# Altium PCB WhiteRHINO_0v1.PcbDoc (part 8 of 10) (continued)
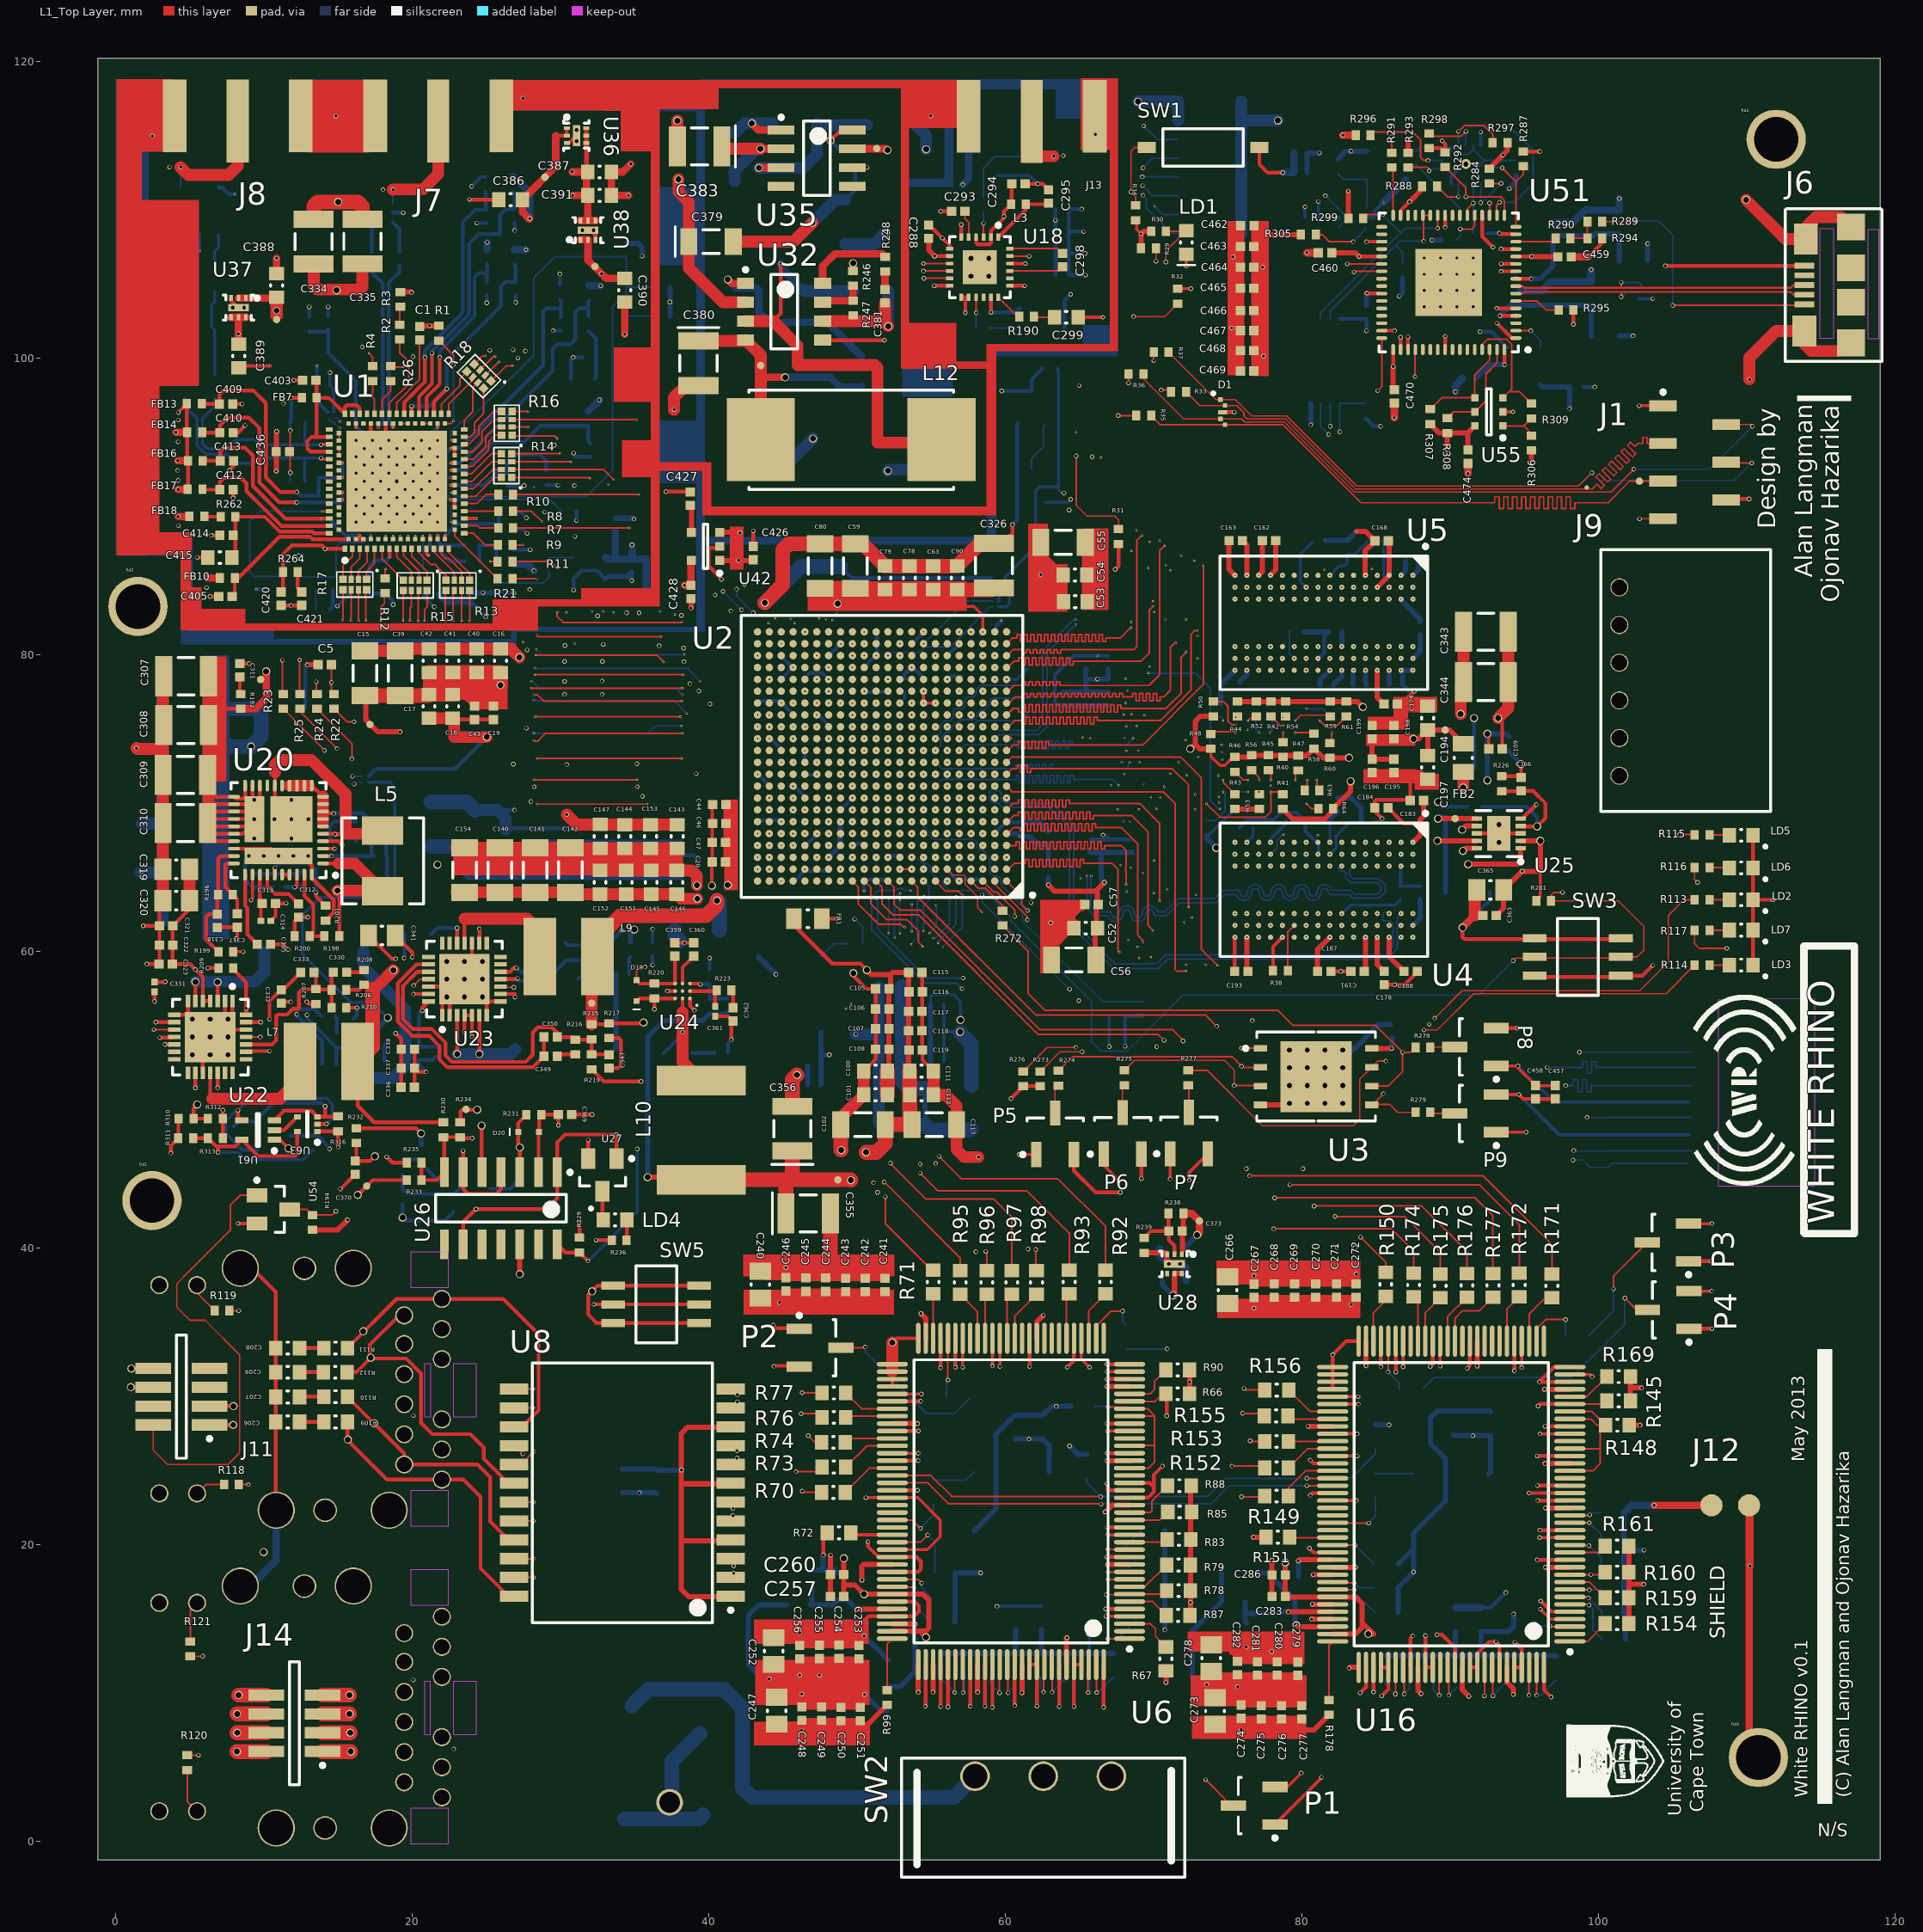
[diagram p0: L1_Top Layer view]
## Nets (pads, with @x,y where several pads share a name; then routed paths per layer and width w, separated by ;. In a path a pad name is that pad's centre, name@x,y a point inside that pad or via, vN(x,y) a via of type N, cw(c..) or ccw(c..) an arc to the next point about the centre after c; other vN are vias at no path point) (continued)
  L1_Top Layer w0.254: U20.36@11.25,65.15 U20.37@11.75,65.15
NetU50_3: U50.3 U51.2 | length 2.4
  L1_Top Layer w0.115: U51.2@94.45,101.825 v2(95.45,101.825)
  L12_Bottom Layer w0.115: v2(95.45,101.825) 96.1,101.175 U50.3@96.1,100.695
NetU61_2: U61.2 U63.4 | length 1.9
  L1_Top Layer w0.254: U61.2@10.725,47.925 11.375,47.925 U63.4@12.275,48.825
PA_EN: J10.3 U2.G17 | length 56.4
  L10_Critical w0.115: v5(47.304,69.514) 47.537,69.747 47.537,71.887 48.425,72.775 48.425,81.75 47.925,82.25 v5(47.925,82.375)
  L7_Non-Critical w0.1: v5(47.925,82.375) 48.075,82.525 48.507,82.525 48.882,82.15 50.312,82.15 50.929,82.767 50.929,85.73 68.175,102.976 68.175,102.982 68.8,103.607 68.8,108.559 69.6,109.359 69.6,111.275 v3(69.275,111.6)
  L12_Bottom Layer w0.115: v3(69.275,111.6) 69.955,110.92 J10.3@71.675,110.92
PB1: U2.D13
PB2: U2.C10
PGOOD_ALL: C370.2 D21.2 R232.1 U26.1 U26.9 U27.G U33.G | length 95.2
  L1_Top Layer w0.254: R232.1@16.25,47.05 16.25,45.925 C370.2@16.175,45.85 17.2,45.85 v4(17.5,46.15) ; U26.9@23.46,40.225 23.46,41.735 v2(24.325,42.6) 29.075,42.6 29.81,43.335 U26.1@29.81,45.075 29.81,47.11 30.327,47.627 33.798,47.627 v8(33.8,47.625) U27.G@33.8,46
  L10_Critical w0.115: v8(33.8,47.625) 34.185,47.625 48.342,61.783 48.342,63.493 49.275,64.425 49.275,82.975 49.5,83.2 60.525,83.2 61.3,83.975 61.3,89.1 62.65,90.45 v2(64.425,90.45)
  L10_Critical w0.254: v4(17.5,46.15) 18.425,45.225 21.925,45.225 24.325,42.825 v2(24.325,42.6)
  L12_Bottom Layer w0.2: U33.G@62.725,90.25 64.225,90.25 v2(64.425,90.45)
  L12_Bottom Layer w0.254: v2(24.325,42.6) 25.25,42.6 D21.2@25.275,42.575
PGOOD_DDR: R230.2 R233.2 R234.2 R235.2 U25.5 U26.7 | length 108.2
  L1_Top Layer w0.254: R235.2@20.65,45.725 R233.2@20.65,44.55 21.665,44.55 U26.7@22.19,45.075 22.19,47.385 R230.2@22.125,47.45 R234.2@23.25,47.45 23.325,47.375 v8(24.075,47.375) ; U25.5@94.775,68.925 94.875,68.925 v2(95.825,69.875)
  L10_Critical w0.5: v8(24.075,47.375) 24.075,44.9 26.15,42.825 76.2,42.825 77.325,43.95 78.55,43.95 78.875,43.625 89.825,43.625 97.1,50.9 97.1,68.6 v2(95.825,69.875)
PGOOD_VCC1V0: C369.2 D20.2 R231.1 U24.B3 U26.2 | length 18.5
  L1_Top Layer w0.254: U26.2@28.54,45.075 28.54,47.765 D20.2@28.575,47.8 28.575,48.8 R231.1@28.725,48.95 28.75,48.975 C369.2@29.875,48.975 v8(29.875,48.25) ; v2(37.225,57.3) U24.B3@37.75,57.3
  L9_Critical w0.163: v8(29.875,48.25) 29.875,50.071 37.104,57.3 v2(37.225,57.3)
PGOOD_VCC1V8: C359.2 D19.2 R220.1 U22.10 U22.25 U23.10 U24.C3 | length 49
  L1_Top Layer w0.1: U22.25@8.825,54.2 v2(9.775,54.2) ; U23.10@25.975,57.6 26.025,57.55 v8(26.875,57.55)
  L1_Top Layer w0.115: v3(2.6,54.7) U22.10@3.975,54.7 ; D19.2@35.15,58.025 35.15,58.675 35.4,58.925 v2(35.725,58.925)
  L1_Top Layer w0.254: D19.2@35.15,58.025 35.375,57.8 R220.1@36.35,57.8 U24.C3@37.75,57.8 37.75,59.625 C359.2@37.725,59.65
  L3_Critical w0.1: v2(9.775,54.2) 13.901,54.2 16.176,56.475 22.096,56.475 22.151,56.42 25.745,56.42 v8(26.875,57.55) 34.35,57.55 v2(35.725,58.925)
  L3_Critical w0.115: v3(2.6,54.7) 2.6,52.325 3.35,51.575 8.825,51.575 9.775,52.525 v2(9.775,54.2)
PGOOD_VCC5V0: R199.1 U20.32 U23.25 | length 19.8
  L1_Top Layer w0.1: v8(20.125,57.675) 20.55,58.1 U23.25@21.125,58.1
  L1_Top Layer w0.2: R199.1@7.95,59.95 v2(8.625,59.95) ; v2(9.15,63.425) 9.25,63.525 U20.32@9.25,65.15
  L3_Critical w0.1: v2(8.625,59.95) 10.7,57.875 19.925,57.875 v8(20.125,57.675)
  L7_Non-Critical w0.163: v2(8.625,59.95) 9.2,60.525 9.2,63.375 v2(9.15,63.425)
PLL_CLK: R266.1 U1.71 | length 2.5
  L1_Top Layer w0.115: U1.71@20.731,87.762 v1(20.731,87.994)
  L12_Bottom Layer w0.115: v1(20.731,87.994) 20.731,85.769 R266.1@20.75,85.75
PLL_CLK_OUT: R4.1 U2.C17 | length 58
  L1_Top Layer w0.115: v1(17.1,100.3) 17.35,100.05 R4.1@17.35,99.425
  L4_Critical w0.115: v1(17.1,100.3) 22.406,94.995 22.406,93.473 25.625,90.254 25.625,83.925 27.5,82.05 v1(27.5,80.824)
  L10_Critical w0.115: v1(27.5,80.824) 27.526,80.85 28.575,80.85 29.175,80.25 29.175,68.075 31.3,65.95 46.94,65.95 v1(47.304,66.314)
PROG: R34.1 SW1.1 U2.T11 | length 50.3
  L1_Top Layer w0.1: R34.1@68.8,110.275 68.8,110.875 v3(68.5,111.175) 68.5,113.925 68.75,114.175 SW1.1@69.55,114.175
  L3_Critical w0.1: v1(52.104,76.714) 52.5,77.11 52.475,77.135 52.475,79.225 52.75,79.5 53.125,79.5 53.45,79.825 53.45,83.8 62.7,93.05 65.6,93.05 v2(65.875,93.325)
  L9_Critical w0.1: v2(65.875,93.325) 65.875,97.775 71.15,103.05 71.15,108.525 v3(68.5,111.175)
PS_CLK: R280.2 U2.F7 | length 13.5
  L10_Critical w0.115: v2(49.85,62.15) 49.85,62.789 50.1,63.039 50.1,68.175 50.275,68.35 55,68.35 55.304,68.654 v1(55.304,68.714)
  L12_Bottom Layer w0.115: v2(49.85,62.15) 50.4,61.6 R280.2@50.4,60.5
PS_MODE0/SPI_DQ0: R279.1 U2.A2 U3.5 | length 38.7
  L1_Top Layer w0.1: 85.95,49.65 86.475,49.125 R279.1@87.675,49.125
  L1_Top Layer w0.115: U2.A2@59.304,64.714 59.304,64.506 61.5,62.31 v2(61.5,62.1) ; U3.5@84.755,49.65 U3.5@84.775,49.65 ; v8(85.5,50.375) U3.5@84.775,49.65 ; 85.95,49.65 U3.5@84.775,49.65
  L4_Critical w0.115: v2(61.5,62.1) 61.5,59.386 64.911,55.975 78.425,55.975 80.3,54.1 82.775,54.1 84.75,52.125 84.75,51.125 v8(85.5,50.375)
PS_MODE1/SPI_DQ1: R274.1 U2.F6 U3.2 | length 47.3
  L1_Top Layer w0.1: R274.1@63.6,51.925 64.55,52.875 75.3,52.875 v8(75.95,52.225)
  L1_Top Layer w0.115: v8(75.95,52.225) 76.015,52.16 U3.2@77.225,52.16
  L3_Critical w0.115: v1(56.104,68.714) 56.468,68.35 58,68.35 58.1,68.25 58.1,66.248 58.398,65.95 58.575,65.95 58.9,65.625 58.9,61.25 60.525,59.625 60.525,57.4 62.2,55.725 74.65,55.725 75.45,54.925 75.45,52.725 v8(75.95,52.225)
PS_MODE2/SPI_DQ2: R275.1 U2.E4 U3.3 | length 43
  L1_Top Layer w0.1: R275.1@68.05,51.95 68.725,52.625 74.8,52.625 75.45,51.975 v8(75.45,50.925)
  L1_Top Layer w0.115: v8(75.45,50.925) 77.19,50.925 U3.3@77.225,50.89
  L4_Critical w0.1: 57.498,66.85 57.975,66.85 58.125,66.7 58.125,66.223 58.136,66.211
  L4_Critical w0.115: 57.498,66.85 57.35,66.998 57.35,67.56 v1(57.704,67.914) ; 58.136,66.211 58.9,65.448 58.9,61.175 60.525,59.55 60.525,57.375 62.2,55.7 74.675,55.7 75.45,54.925 v8(75.45,50.925)
PS_MODE3/SPI_DQ3: R277.1 U2.A3 U3.7 | length 52.8
  L1_Top Layer w0.1: R277.1@72.35,51.95 73.625,51.95 77.35,48.225 83.5,48.225 83.925,48.65 83.925,51.36 U3.7@84.725,52.16
  L1_Top Layer w0.115: U2.A3@58.504,64.714 59.233,63.985 59.44,63.985 60.65,62.775 v2(60.65,62.325) ; U3.7@84.725,52.16 85.14,52.575 v8(85.675,52.575)
  L4_Critical w0.115: v2(60.65,62.325) 60.733,62.408 61.793,62.408 61.95,62.25 61.95,59.24 64.99,56.2 78.8,56.2 79.86,55.14 83.585,55.14 84.913,53.813 84.913,53.337 v8(85.675,52.575)
PS_MODE4/SPI_SCLK: R272.2 R278.1 U3.6 | length 37
  L1_Top Layer w0.115: R272.2@59.825,61.725 61.55,60 61.55,57.15 62.71,55.99 78.41,55.99 79.425,54.975 84.995,54.975 v8(86.808,53.163) ; U3.6@84.725,50.89 85.825,50.89 86.808,51.873 v8(86.808,53.163) ; R278.1@87.675,53.5 87.338,53.163 v8(86.808,53.163)
PS_POR_B: R66.2 R145.2 R229.1 U2.B5 U6.33 U16.33 U26.14 | length 123.1
  L1_Top Layer w0.115: U6.33@68.398,29.637 70.112,29.637 70.625,30.15 R66.2@70.85,30.15 ; U16.33@98.093,29.449 100.349,29.449 R145.2@100.575,29.675
  L1_Top Layer w0.254: U26.14@29.81,40.225 30.36,39.675 R229.1@31.3,39.675 v2(31.875,39.1) ; R66.2@70.85,30.15 70.9,30.1 v2(70.9,28.65) ; v2(95.95,29.325) 96.1,29.475 98.067,29.475 U16.33@98.093,29.449
  L10_Critical w0.115: v2(31.875,39.1) 36.525,34.45 70.825,34.45 71.6,33.675 71.6,29.7 70.9,29 v2(70.9,28.65) 71.132,28.418 95.043,28.418 v2(95.95,29.325) ; v2(35.2,46.65) 35.2,47.24 49.085,61.125 50.025,61.125 51.725,62.825 52.905,62.825 54.112,64.033 54.408,64.033 55.889,65.514 v1(56.904,65.514)
  L12_Bottom Layer w0.2: v2(31.875,39.1) 35.2,42.425 v2(35.2,46.65)
PS_SRST_B: R281.1 SW3.3 U2.C9 U53.4 U53.6 | length 141.9
  L1_Top Layer w0.1: v2@94.175,59.45 v2(94.275,59.35) 94.45,59.525 SW3.3@101.525,59.525 ; v2(97.602,63.948) 97.023,63.948 96.825,63.75 R281.1@96.825,63.375 101.35,63.375 103.075,61.65 103.075,60.05 102.625,59.6 SW3.3@101.525,59.6
  L9_Critical w0.1: v2(81.6,110.925) 89.201,110.925 92.376,107.75 101.975,107.75 104.65,105.075 104.65,71.125 97.525,64 97.577,63.948 v2(97.602,63.948)
  L12_Bottom Layer w0.1: v1(53.704,66.314) 54.022,66.314 54.45,65.886 54.764,65.886 54.925,65.725 54.925,65.411 56.261,64.075 58.301,64.075 58.326,64.1 58.574,64.1 60.35,62.324 60.35,62.075 65.85,56.575 65.85,53.842 65.967,53.725 66,53.725 66.475,53.25 68.225,53.25 72,57.025 91.95,57.025 v2(94.275,59.35) ; v2(81.6,110.925) U53.6@82.45,110.075 82.462,110.075 82.85,109.687 82.85,109.163 82.462,108.775 U53.4@82.45,108.775
RESET: R21.2 U1.75 | length 4.5
  L1_Top Layer w0.115: U1.75@22.881,88.412 22.881,87.994 R21.2@25.775,85.1
RGMII_SEL0: R84.1 U6.40 | length 4.1
  L1_Top Layer w0.115: U6.40@66.148,33.887 66.148,34.722 67.151,35.725 v2(67.925,35.725)
  L12_Bottom Layer w0.115: v2(67.925,35.725) 67.925,35.025 R84.1@68.175,34.775
RGMII_SEL1: R86.1 U6.60 | length 4.1
  L1_Top Layer w0.115: v2(56.148,31.073) U6.60@56.148,33.887
  L12_Bottom Layer w0.115: R86.1@56.05,29.875 56.05,30.975 v2(56.148,31.073)
RX_CLK: R7.1 U2.N19 | length 39
  L1_Top Layer w0.115: R7.1@26.825,88.525 v1(34.675,88.525)
  L3_Critical w0.115: v1(34.675,88.525) 35.175,88.525 37.325,86.375 37.325,80.203 37.033,80.203 37.033,79.888 37.617,79.888 37.617,79.573 37.325,79.573 37.325,79.258 37.617,79.258 37.617,78.943 37.033,78.943 37.033,78.628 37.617,78.628 37.617,78.313 37.033,78.313 37.033,77.998 37.617,77.998 37.617,77.683 37.033,77.683 37.033,77.368 37.617,77.368 37.617,77.053 37.033,77.053 37.033,76.738 37.617,76.738 37.617,76.423 37.033,76.423 37.033,76.108 37.325,76.108 37.325,74.65 38.1,73.875 45.265,73.875 v1(45.704,74.314)
RX_CLKOUT: R26.1 U2.L19 | length 50.1
  L1_Top Layer w0.115: R26.1@18.575,99.425 18.625,99.375 v1(19.425,99.375) ; U2.L19@45.704,72.714 v1(45.739,72.714)
  L3_Critical w0.115: v1(19.425,99.375) 21.575,99.375 22.35,98.6 30.304,98.6 34.2,94.704 34.2,87.1 35.8,85.5 35.8,73.35 36.8,72.35 45.375,72.35 v1(45.739,72.714)
RX_EN: R11.1 U2.T19 | length 39
  L1_Top Layer w0.115: R11.1@26.775,86.25 29.375,86.25 v1(29.8,85.825) ; v1(29.8,82.825) 29.8,82.55 30.2,82.15 v1(38.2,82.15) ; U2.T19@45.704,76.714 v1(45.714,76.714)
  L3_Critical w0.115: v1(29.8,82.825) 29.8,83.183 29.502,83.183 29.502,83.498 29.8,83.498 v1(29.8,85.825) ; v1(38.2,82.15) 38.418,82.15 38.418,81.85 38.733,81.85 38.733,82.45 39.048,82.45 39.048,81.85 39.363,81.85 39.363,82.45 39.678,82.45 39.678,82.15 40.15,82.15 40.725,81.575 40.725,81.234 41.025,81.234 41.025,80.919 40.425,80.919 40.425,80.604 41.025,80.604 41.025,80.289 40.425,80.289 40.425,79.974 41.025,79.974 41.025,79.659 40.425,79.659 40.425,79.344 41.025,79.344 41.025,79.029 40.425,79.029 40.425,78.714 41.025,78.714 41.025,78.399 40.425,78.399 40.425,78.084 41.025,78.084 41.025,77.769 40.725,77.769 40.725,77.296 41.089,76.932 40.877,76.72 41.1,76.497 41.312,76.709 41.646,76.375 42.137,76.375 42.137,76.675 42.452,76.675 42.452,76.075 42.767,76.075 42.767,76.375 45.375,76.375 v1(45.714,76.714)
RX_IQ_SEL: R9.1 U2.T16 | length 39
  L1_Top Layer w0.115: R9.1@26.8,87.375 v1(27.475,87.375)
  L3_Critical w0.115: v1(27.475,87.375) 27.475,83.115 27.205,83.115 27.205,82.8 27.745,82.8 27.745,82.485 27.475,82.485 27.475,82.013 27.745,82.013 27.745,81.698 27.475,81.698 27.475,81.225 v1(28.375,80.325)
  L9_Critical w0.115: v1(38.375,79.975) 38.925,79.975 39.27,79.63 39.482,79.842 39.705,79.619 39.493,79.407 39.281,79.195 39.504,78.972 39.928,79.396 40.151,79.174 39.939,78.962 39.726,78.749 39.949,78.527 40.161,78.739 40.373,78.951 40.596,78.728 40.384,78.516 40.172,78.304 40.395,78.081 40.607,78.293 40.819,78.505 41.042,78.283 40.829,78.071 40.617,77.858 40.84,77.636 41.052,77.848 41.264,78.06 41.487,77.837 41.063,77.413 41.286,77.19 41.498,77.402 41.71,77.614 41.933,77.392 41.508,76.967 41.731,76.745 41.943,76.957 42.155,77.169 42.378,76.946 42.166,76.734 42.5,76.4 47.79,76.4 v1(48.104,76.714)
  L12_Bottom Layer w0.115: v1(28.375,80.325) 28.725,79.975 v1(38.375,79.975)
RXD00: R13.8 U2.P22 | length 38.8
  L1_Top Layer w0.115: v1(23.9,82.25) R13.8@23.9,84.3 ; U2.P22@43.304,75.114 v1(43.304,75.121)
  L9_Critical w0.115: v1(23.9,82.25) 23.4,81.75 20.7,81.75 19.75,80.8 19.75,76.675 20.325,76.1 23.867,76.1 23.867,75.9 24.182,75.9 24.182,76.3 24.497,76.3 24.497,75.9 24.812,75.9 24.812,76.3 25.127,76.3 25.127,75.9 25.442,75.9 25.442,76.1 25.75,76.1 27.8,78.15 v1(28.05,78.15) ; v1(38.25,77.275) 40,75.525 42.9,75.525 v1(43.304,75.121)
  L12_Bottom Layer w0.115: v1(28.05,78.15) 28.15,78.15 28.575,77.725 37.8,77.725 v1(38.25,77.275)
RXD01: R13.7 U2.N22 | length 39
  L1_Top Layer w0.115: R13.7@23.35,84.3 23.35,82.275 v1(23.375,82.25) ; v1(28.35,79.95) 36.525,79.95 v1(36.975,79.5) ; U2.N22@43.304,74.314 v1(43.304,74.321)
  L10_Critical w0.115: v1(23.375,82.25) 23.375,81.1 22.325,80.05 21.075,80.05 20.65,79.625 20.65,77.875 21.275,77.25 24.847,77.25 24.847,77.05 25.162,77.05 25.162,77.45 25.477,77.45 25.477,77.05 25.792,77.05 25.792,77.25 26.2,77.25 27.7,78.75 27.7,79.3 v1(28.35,79.95) ; v1(36.975,79.5) 37.3,79.175 37.3,74.95 38.375,73.875 42.858,73.875 v1(43.304,74.321)
RXD02: R13.6 U2.R21 | length 38.8
  L1_Top Layer w0.115: v1(22.775,82.274) 22.775,84.225 R13.6@22.8,84.25
  L3_Critical w0.115: v1(22.775,82.274) 22.8,82.274 22.8,81.4 21.85,80.45 21.85,75.45 22.2,75.1 26.9,75.1 27.4,75.6 27.4,76.492 27.6,76.492 27.6,76.807 27.2,76.807 27.2,77.122 27.6,77.122 27.6,77.437 27.2,77.437 27.2,77.752 27.6,77.752 27.6,78.067 27.4,78.067 27.4,78.675 27.775,79.05 v1(28.3,79.05)
  L10_Critical w0.115: v1(39.425,78.2) 42.575,78.2 43.333,77.442 43.333,76.675 v1(44.104,75.904)
  L12_Bottom Layer w0.115: v1(28.3,79.05) 38.575,79.05 v1(39.425,78.2)
RXD03: R13.5 U2.R20 | length 39
  L1_Top Layer w0.115: v1(22.25,82.25) 22.25,84.25 R13.5@22.3,84.3 ; v1(28.024,77.725) v1(38.25,77.725) ; v1(44.904,75.904) U2.R20@44.904,75.914
  L4_Critical w0.115: v1(38.25,77.725) 38.275,77.725 40.475,75.525 44.525,75.525 v1(44.904,75.904)
  L10_Critical w0.115: v1(22.25,82.25) 22.25,81.475 21.6,80.825 20.05,80.825 19.725,80.5 19.725,78.3 21.801,76.224 25.372,76.224 25.372,75.943 25.687,75.943 25.687,76.505 26.002,76.505 26.002,76.224 26.475,76.224 26.648,76.397 26.449,76.596 26.672,76.819 27.07,76.421 27.292,76.644 27.094,76.843 26.895,77.041 27.118,77.264 27.316,77.065 27.515,76.867 27.738,77.09 27.539,77.288 27.95,77.699
RXD04: R15.8 U2.P21 | length 39.1
  L1_Top Layer w0.115: v1(20.85,82.274) 20.85,82.775 ; 20.85,82.775 20.85,83 21.025,83.175 R15.8@21.025,84.3 ; v1(28.225,74.15) 28.5,74.15 29.025,74.675 v1(38.25,74.675) ; v1(44.104,75.104) U2.P21@44.104,75.114
  L3_Critical w0.115: v1(20.85,82.274) 20.85,75.8 22.75,73.9 23.315,73.9 23.315,74.1 23.63,74.1 23.63,73.9 24.102,73.9 24.102,73.617 24.417,73.617 24.417,74.13 24.732,74.13 24.732,73.617 25.047,73.617 25.047,73.9 25.362,73.9 25.362,73.617 25.677,73.617 25.677,74.183 25.992,74.183 25.992,73.617 26.307,73.617 26.307,74.183 26.622,74.183 26.622,73.617 26.937,73.617 26.937,74.183 27.252,74.183 27.252,73.617 27.567,73.617 27.567,73.9 27.975,73.9 v1(28.225,74.15) ; v1(38.25,74.675) 43.675,74.675 v1(44.104,75.104)
RXD05: R15.7 U2.P20 | length 39.2
  L1_Top Layer w0.115: v1(20.425,82.25) 20.425,84.25 R15.7@20.475,84.3 ; v1(28.225,77.275) 28.475,77.275 28.9,76.85 v1(38.2,76.85) ; v1(44.904,75.096) U2.P20@44.904,75.114
  L4_Critical w0.115: v1(38.2,76.85) 40.375,74.675 44.483,74.675 v1(44.904,75.096)
  L9_Critical w0.115: v1(20.425,82.25) 19.225,81.05 19.225,76.725 20.55,75.4 23.027,75.4 23.027,75.2 23.342,75.2 23.342,75.4 26.1,75.4 26.327,75.627 26.186,75.769 26.408,75.991 26.691,75.709 26.914,75.931 26.773,76.073 26.631,76.214 26.854,76.437 27.137,76.154 27.36,76.377 27.218,76.518 27.077,76.66 27.299,76.882 27.441,76.741 27.582,76.599 27.805,76.822 27.664,76.964 27.975,77.275 v1(28.225,77.275)
RXD06: R15.6 U2.N15 | length 38.9
  L1_Top Layer w0.115: v1(19.875,82.274) 19.875,82.662 ; 19.875,82.663 19.875,83.107 19.975,83.207 R15.6@19.975,84.3 ; v1(28.325,75.8) v1(38.125,75.8)
  L4_Critical w0.115: v1(19.875,82.274) 19.875,81.625 22.133,79.367 26.147,79.367 26.147,79.167 26.462,79.167 26.462,79.567 26.777,79.567 26.777,79.167 27.092,79.167 27.092,79.367 28.557,79.367 28.75,79.175 28.75,76.225 v1(28.325,75.8) ; v1(38.125,75.8) 40.025,73.9 48.351,73.9 48.772,74.321 v1(48.904,74.321)
RXD07: R15.5 U2.K15 | length 39.3
  L1_Top Layer w0.115: v1(19.399,82.274) 19.399,82.375 19.425,82.4 R15.5@19.425,84.3 ; v1@28.463,72.988 v1(38.213,72.988)
  L3_Critical w0.115: v1(19.399,82.274) 19.399,76.351 22.775,72.975 v1(28.45,72.975)
  L4_Critical w0.115: v1(38.213,72.988) 38.85,72.35 48.475,72.35 v1(48.911,71.914)
RXD08: R17.8 U2.J15 | length 39.1
  L1_Top Layer w0.115: v1(16.9,82.275) 16.9,84.3 R17.8@16.95,84.35 ; v1(28.2,71.55) v1(35.2,71.55)
  L3_Critical w0.115: v1(35.2,71.55) 48.625,71.55 48.9,71.275 v1(48.9,71.1)
  L4_Critical w0.115: v1(16.9,82.275) 16.9,81.725 27.075,71.55 v1(28.2,71.55)
RXD09: R17.7 U2.P18 | length 38.9
  L1_Top Layer w0.115: v1(16.4,82.275) 16.4,83.2 R17.7@16.4,84.35 ; U2.P18@46.504,75.114 v1(46.539,75.114)
  L9_Critical w0.115: v1(16.4,82.275) 16.4,79.025 21.433,73.992 26.627,73.992 26.627,73.792 26.942,73.792 26.942,73.992 27.542,73.992 v1(28.225,74.675) ; v1(38.175,75.175) 38.675,74.675 46.1,74.675 v1(46.539,75.114)
  L12_Bottom Layer w0.115: v1(28.225,74.675) 35.9,74.675 36.4,75.175 v1(38.175,75.175)
RXD10: R17.6 U2.P17 | length 39.2
  L1_Top Layer w0.115: v1(15.9,82.275) R17.6@15.9,84.35
  L10_Critical w0.115: v1(15.9,82.275) 15.9,81.625 22.375,75.15 24.502,75.15 24.502,74.95 24.817,74.95 24.817,75.15 26.5,75.15 v1(28.225,76.875) ; v1(38.525,76.025) 38.525,75.725 39.575,74.675 46.875,74.675 v1(47.314,75.114)
  L12_Bottom Layer w0.115: v1(28.225,76.875) 37.675,76.875 v1(38.525,76.025)
RXD11: R17.5 U2.T17 | length 38.9
  L1_Top Layer w0.115: v1(15.35,82.3) R17.5@15.35,84.35 ; v1(28.299,78.625) v1(38.3,78.625)
  L4_Critical w0.115: v1(15.35,82.3) 15.35,82.55 15.575,82.775 17.25,82.775 17.668,82.357 17.668,82.057 22.375,77.35 25.197,77.35 25.197,77.55 25.512,77.55 25.512,77.15 25.827,77.15 25.827,77.35 26.3,77.35 27.575,78.625 v1(28.299,78.625) ; v1(38.3,78.625) 42.575,78.625 43.95,77.25 46.775,77.25 v1(47.304,76.721)
RXIN1_N: C397.1 U1.98 | length 11.6
  L1_Top Layer w0.253: v1(17.731,95.306) U1.98@17.731,95.562
  L12_Bottom Layer w0.253: C397.1@17.275,106.225 17.275,105.788 18.029,105.034 18.029,95.605 v1(17.731,95.306)
RXIN1_P: C399.1 U1.96 | length 11.6
  L1_Top Layer w0.253: v1(18.731,95.319) U1.96@18.731,95.562
  L12_Bottom Layer w0.253: v1(18.731,95.319) 18.432,95.618 18.432,105.046 19.175,105.788 C399.1@19.175,106.225
RXIN2_N: U1.102
RXIN2_P: U1.100
RXIN3_N: U1.110
RXIN3_P: U1.108
RXOUT_I_N: U1.115
RXOUT_I_P: U1.116
RXOUT_Q_N: U1.114
RXOUT_Q_P: U1.113
SCLK: R22.1 U2.C5 | length 54.3
  L1_Top Layer w0.115: R22.1@14.75,76.325 15.625,75.45 v3(16.1,75.45)
  L7_Non-Critical w0.1: v3(16.1,75.45) 17.55,74 25.95,74 26.375,74.425 30.05,74.425 30.425,74.05 31.075,74.05 31.075,74.25 31.375,74.25 31.375,74.05 31.675,74.05 31.675,74.25 31.975,74.25 31.975,74.05 32.275,74.05 32.275,74.25 32.575,74.25 32.575,74.05 32.875,74.05 32.875,74.25 33.175,74.25 33.175,74.05 33.475,74.05 33.475,74.25 33.775,74.25 33.775,74.05 34.075,74.05 34.075,74.25 34.375,74.25 34.375,74.05 34.675,74.05 34.675,74.25 34.975,74.25 34.975,74.05 35.275,74.05 35.275,74.25 35.575,74.25 35.575,74.05 35.875,74.05 35.875,74.25 36.175,74.25 36.175,74.05 56.028,74.05 56.579,73.499 56.579,66.639 v5(56.904,66.314)
SD_CD: J5.2 U2.B9 U2.B10 | length 71.6
  L1_Top Layer w0.1: v1(52.904,65.514) v1(53.704,65.514)
  L9_Critical w0.1: 92.275,56.234 93.35,56.234
  L9_Critical w0.115: v1(53.704,65.514) 53.704,64.996 55.285,63.415 55.485,63.415 55.875,63.025 56.604,63.025 58.795,60.834 62.349,60.834 66.949,56.234 92.275,56.234 ; 93.35,56.234 94.009,55.575 94.283,55.575 94.283,55.975 94.598,55.975 94.598,55.175 94.913,55.175 94.913,55.975 95.228,55.975 95.228,55.575 95.525,55.575 95.85,55.25 95.85,54.768 96.25,54.768 96.25,54.452 95.45,54.452 95.45,54.137 96.25,54.137 96.25,53.822 95.45,53.822 95.45,53.507 96.25,53.507 96.25,53.192 95.45,53.192 95.45,52.877 96.25,52.877 96.25,52.562 95.85,52.562 95.85,52.275 95.975,52.15 v2(96.55,52.15)
  L12_Bottom Layer w0.1: v2(96.55,52.15) 98.95,52.15 98.95,52.543 99.25,52.543 99.25,51.757 99.55,51.757 99.55,52.543 99.85,52.543 99.85,52.15 100.725,52.15
  L12_Bottom Layer w0.115: 100.725,52.15 J5.2@106.565,52.15
SD_CLK: J5.5 U2.E14 | length 72.1
  L9_Critical w0.1: 92.375,57.15 96.4,57.15 99.25,54.3 v2(99.25,48.775)
  L9_Critical w0.115: v1(49.704,67.914) 49.372,68.247 49.372,69.697 49.55,69.875 49.85,69.875 50.118,70.143 50.118,70.443 50.325,70.65 52.35,70.65 52.525,70.475 52.525,70.075 52.712,69.888 53,69.888 55.637,67.252 55.637,67.11 60.2,62.547 60.2,62.34 60.79,61.75 62.729,61.75 67.329,57.15 92.375,57.15
  L12_Bottom Layer w0.1: v2(99.25,48.775) 100.615,48.775
  L12_Bottom Layer w0.115: 100.615,48.775 J5.5@106.24,48.775
SD_CMD: J5.3 U2.C8 | length 71.4
  L9_Critical w0.1: 92.375,56.449 95.401,56.449 97.225,54.625 97.225,54.175 96.825,54.175 96.825,53.875 97.625,53.875 97.625,53.575 96.825,53.575 96.825,53.275 97.625,53.275 97.625,52.975 96.825,52.975 96.825,52.675 97.625,52.675 97.625,52.375 96.85,52.375 96.85,52.075 97.625,52.075 97.625,51.775 96.825,51.775 96.825,51.475 97.225,51.475 97.225,51.15 97.45,50.925 v2(97.8,50.925)
  L9_Critical w0.115: v1(54.504,66.314) 54.972,65.847 54.972,64.949 55.133,64.788 55.133,64.297 56.19,63.24 56.693,63.24 58.884,61.049 62.439,61.049 67.039,56.449 92.375,56.449
  L12_Bottom Layer w0.1: v2(97.8,50.925) 98.325,50.925 98.325,51.325 98.625,51.325 98.625,50.525 98.925,50.525 98.925,51.325 99.225,51.325 99.225,50.525 99.525,50.525 99.525,50.925 100.665,50.925
  L12_Bottom Layer w0.115: 100.665,50.925 J5.3@106.29,50.925
SD_D0: J5.7 U2.D8 | length 71.6
  L9_Critical w0.1: 92.3,56.664 95.504,56.664 98.35,53.817 98.35,50.55 98.732,50.55 98.732,50.25 97.968,50.25 97.968,49.95 98.732,49.95 98.732,49.65 97.968,49.65 97.968,49.35 98.732,49.35 98.732,49.05 97.968,49.05 97.968,48.75 98.732,48.75 98.732,48.45 97.968,48.45 97.968,48.15 98.35,48.15 v2(98.35,46.55)
  L9_Critical w0.115: v1(54.504,67.114) 54.504,66.644 55.301,65.847 55.442,65.847 57.211,64.078 57.263,64.078 57.475,63.865 57.475,62.762 58.974,61.264 62.528,61.264 67.128,56.664 92.3,56.664
  L12_Bottom Layer w0.1: v2(98.35,46.55) 98.385,46.515 100.675,46.515
  L12_Bottom Layer w0.115: 100.675,46.515 J5.7@106.3,46.515
SD_D1: J5.8 U2.B11 | length 71.4
  L9_Critical w0.1: 93.296,55.804 93.85,55.25 93.85,54.575 94.24,54.575 94.24,54.275 93.46,54.275 93.46,53.975 94.24,53.975 94.24,53.675 93.46,53.675 93.46,53.375 94.24,53.375 94.24,53.075 93.46,53.075 93.46,52.775 94.24,52.775 94.24,52.475 93.85,52.475 93.85,51.875 97.025,48.7 97.025,47.175 v2(98.3,45.9)
  L9_Critical w0.115: v1(52.104,65.514) 52.104,65.185 52.808,64.482 ; 52.809,64.482 53.268,64.023 53.268,63.112 53.855,62.525 56.496,62.525 58.617,60.404 62.171,60.404 66.771,55.804 93.296,55.804
  L12_Bottom Layer w0.1: v2(98.3,45.9) 98.95,45.9 99.435,45.415 100.675,45.415
  L12_Bottom Layer w0.115: 100.675,45.415 100.935,45.675 J5.8@106.04,45.675
SD_D2: J5.1 U2.E13 | length 71.5
  L9_Critical w0.1: 92.375,56.885 95.615,56.885 95.956,56.544 96.217,56.805 96.429,56.593 96.168,56.332 96.38,56.12 96.642,56.381 96.854,56.169 96.592,55.908 96.805,55.695 97.066,55.957 97.278,55.745 97.017,55.483 97.229,55.271 97.49,55.532 97.702,55.32 97.441,55.059 97.653,54.847 97.914,55.108 98.127,54.896 97.865,54.635 98.077,54.423 98.339,54.684 98.551,54.472 98.29,54.21 98.725,53.775 v2(98.725,53.175)
  L9_Critical w0.115: v1(50.504,67.914) 50.172,68.247 50.172,69.652 50.366,69.847 52.228,69.847 52.475,69.6 52.475,69.225 52.678,69.022 53.078,69.022 53.372,68.728 53.372,67.776 53.65,67.498 54.698,67.498 54.897,67.299 54.897,67.05 55.3,66.647 55.442,66.647 57.75,64.338 57.75,62.8 59.065,61.485 62.619,61.485 67.219,56.885 92.375,56.885
  L12_Bottom Layer w0.1: v2(98.725,53.175) J5.1@106.24,53.175
SD_WP: U2.D12
  other v1: 51.304,67.114
SDIO: R24.1 U2.G7 | length 54.2
  L1_Top Layer w0.115: R24.1@13.6,76.325 15.95,73.975 v3(15.95,72.95)
  L7_Non-Critical w0.1: v3(15.95,72.95) 16.575,72.95 16.575,73.15 16.875,73.15 16.875,72.75 17.175,72.75 17.175,73.15 17.475,73.15 17.475,72.75 17.775,72.75 17.775,73.15 18.075,73.15 18.075,72.75 18.375,72.75 18.375,73.15 18.675,73.15 18.675,72.75 18.975,72.75 18.975,73.15 19.275,73.15 19.275,72.75 19.575,72.75 19.575,73.15 19.875,73.15 19.875,72.75 20.175,72.75 20.175,73.15 20.475,73.15 20.475,72.75 20.775,72.75 20.775,73.15 21.075,73.15 21.075,72.75 21.375,72.75 21.375,73.15 21.675,73.15 21.675,72.75 21.975,72.75 21.975,73.15 22.275,73.15 22.275,72.95 27.25,72.95 27.625,72.575 29.325,72.575 29.963,73.213 46.469,73.213 47.407,72.275 53.875,72.275 54.125,72.025 54.125,70.375 54.5,70 54.8,70 55.286,69.514 v5(55.304,69.514)
SDO: R25.1 U2.B4 | length 54.4
  L1_Top Layer w0.115: R25.1@12.45,76.325 12.45,76.15 v3(14.95,73.65)
  L7_Non-Critical w0.1: v3(14.95,73.65) 15.039,73.739 55.397,73.739 55.661,73.475 55.661,66.365 56.851,65.175 57.365,65.175 v5(57.704,65.514)
SEN: R23.1 U2.A6 | length 54.1
  L1_Top Layer w0.1: R23.1@11.325,76.325 12.65,75 ; 13.725,73.925 v3@14.1,73.55
  L1_Top Layer w0.115: 12.65,75 13.725,73.925 ; v3(14.1,73.525) v3@14.1,73.55
  L7_Non-Critical w0.1: v3(14.1,73.525) 15.4,72.225 38.65,72.225 39.364,72.939 45.832,72.939 45.964,72.807 45.964,71.046 46.31,70.7 52.845,70.7 53.395,70.15 53.379,70.134 53.379,65.271 53.575,65.075 55.743,65.075 v5(56.104,64.714)
SHIELD: C206.1 C207.1 C208.1 C209.1 fid3.1 J2.M1 J2.M2 J3.M1 J3.M2 J6.S1 J6.S2 J6.S3 J6.S4 J12.1 | length 315.3
  L1_Top Layer w0.254: J2.M2@9.55,38.91 9.55,38.275 10.825,37 C208.1@10.825,33.225 C209.1@10.825,31.6 C207.1@10.825,29.926 C206.1@10.825,28.25 10.825,22.32 J2.M1@10.85,22.295
  L1_Top Layer w0.5: v3(110.225,18.55) 110.225,22.575 J12.1@110.175,22.625 110.175,6.25 fid3.1@110.8,5.625
  L1_Top Layer w0.8: v9(109.975,110.65) 112.625,108 J6.S2@114,108 113.85,108.15 113.85,108.65 114.675,109.475 116.375,109.475 J6.S4@117.05,108.8 ; v3(110.2,98.55) 110.2,100 112,101.8 J6.S1@113.9,101.8 113.9,100.925 114.375,100.45 J6.S3@116.257,100.45
  L3_Critical w0.5: J2.M2@8.43,38.605 9.855,37.18 9.855,23.32 11.425,21.75 11.425,18.775 10.95,18.3 10.95,0.97 J3.M1@10.85,0.87
  L3_Critical w0.8: v9(109.975,110.65) 109.975,98.775 v3(110.2,98.55)
  L9_Critical w0.5: J3.M2@8.43,17.18 10.285,15.325 19.9,15.325 20.525,14.7 20.525,12.65 21.125,12.05 24.425,12.05 30.866,5.609 40.826,5.609 41.042,5.825 98.7,5.825 110.225,17.35 v3(110.225,18.55) 110.225,42.525 108.225,42.525 107.025,43.725 107.025,56.975 110.225,60.175 110.225,89.15 112.9,91.825 112.9,95.85 v3(110.2,98.55)
  L12_Bottom Layer w0.5: J3.M2@8.43,17.18 9.105,17.18 10.85,18.925 J2.M1@10.85,22.295
SIGN: U2.V17 U18.10 | length 39.8
  L1_Top Layer w0.115: v8(54.5,105.85) U18.10@56.275,105.85
  L3_Critical w0.115: v1(44.5,82.425) 44.5,78.9 44.675,78.725 46.893,78.725 v1(47.304,78.314) ; v1@45.55,82.35 v1(45.55,82.4) 45.55,90.746 46.726,91.922 46.584,92.063 46.807,92.286 46.949,92.145 47.09,92.003 47.313,92.226 47.171,92.367 47.03,92.509 47.253,92.731 47.536,92.449 47.758,92.671 47.617,92.813 47.475,92.954 47.698,93.177 47.981,92.894 48.204,93.117 48.062,93.258 47.921,93.4 48.144,93.622 48.285,93.481 48.426,93.34 48.649,93.562 48.508,93.704 53.84,99.036 53.84,99.29 54.1,99.55 54.1,105.45 v8(54.5,105.85)
  L4_Critical w0.1: v1(44.5,82.425) 45.525,82.425 v1(45.55,82.4)